# Altium PCB GameBoard_V1I1_Phase1.PcbDoc (part 5 of 18) (continued)
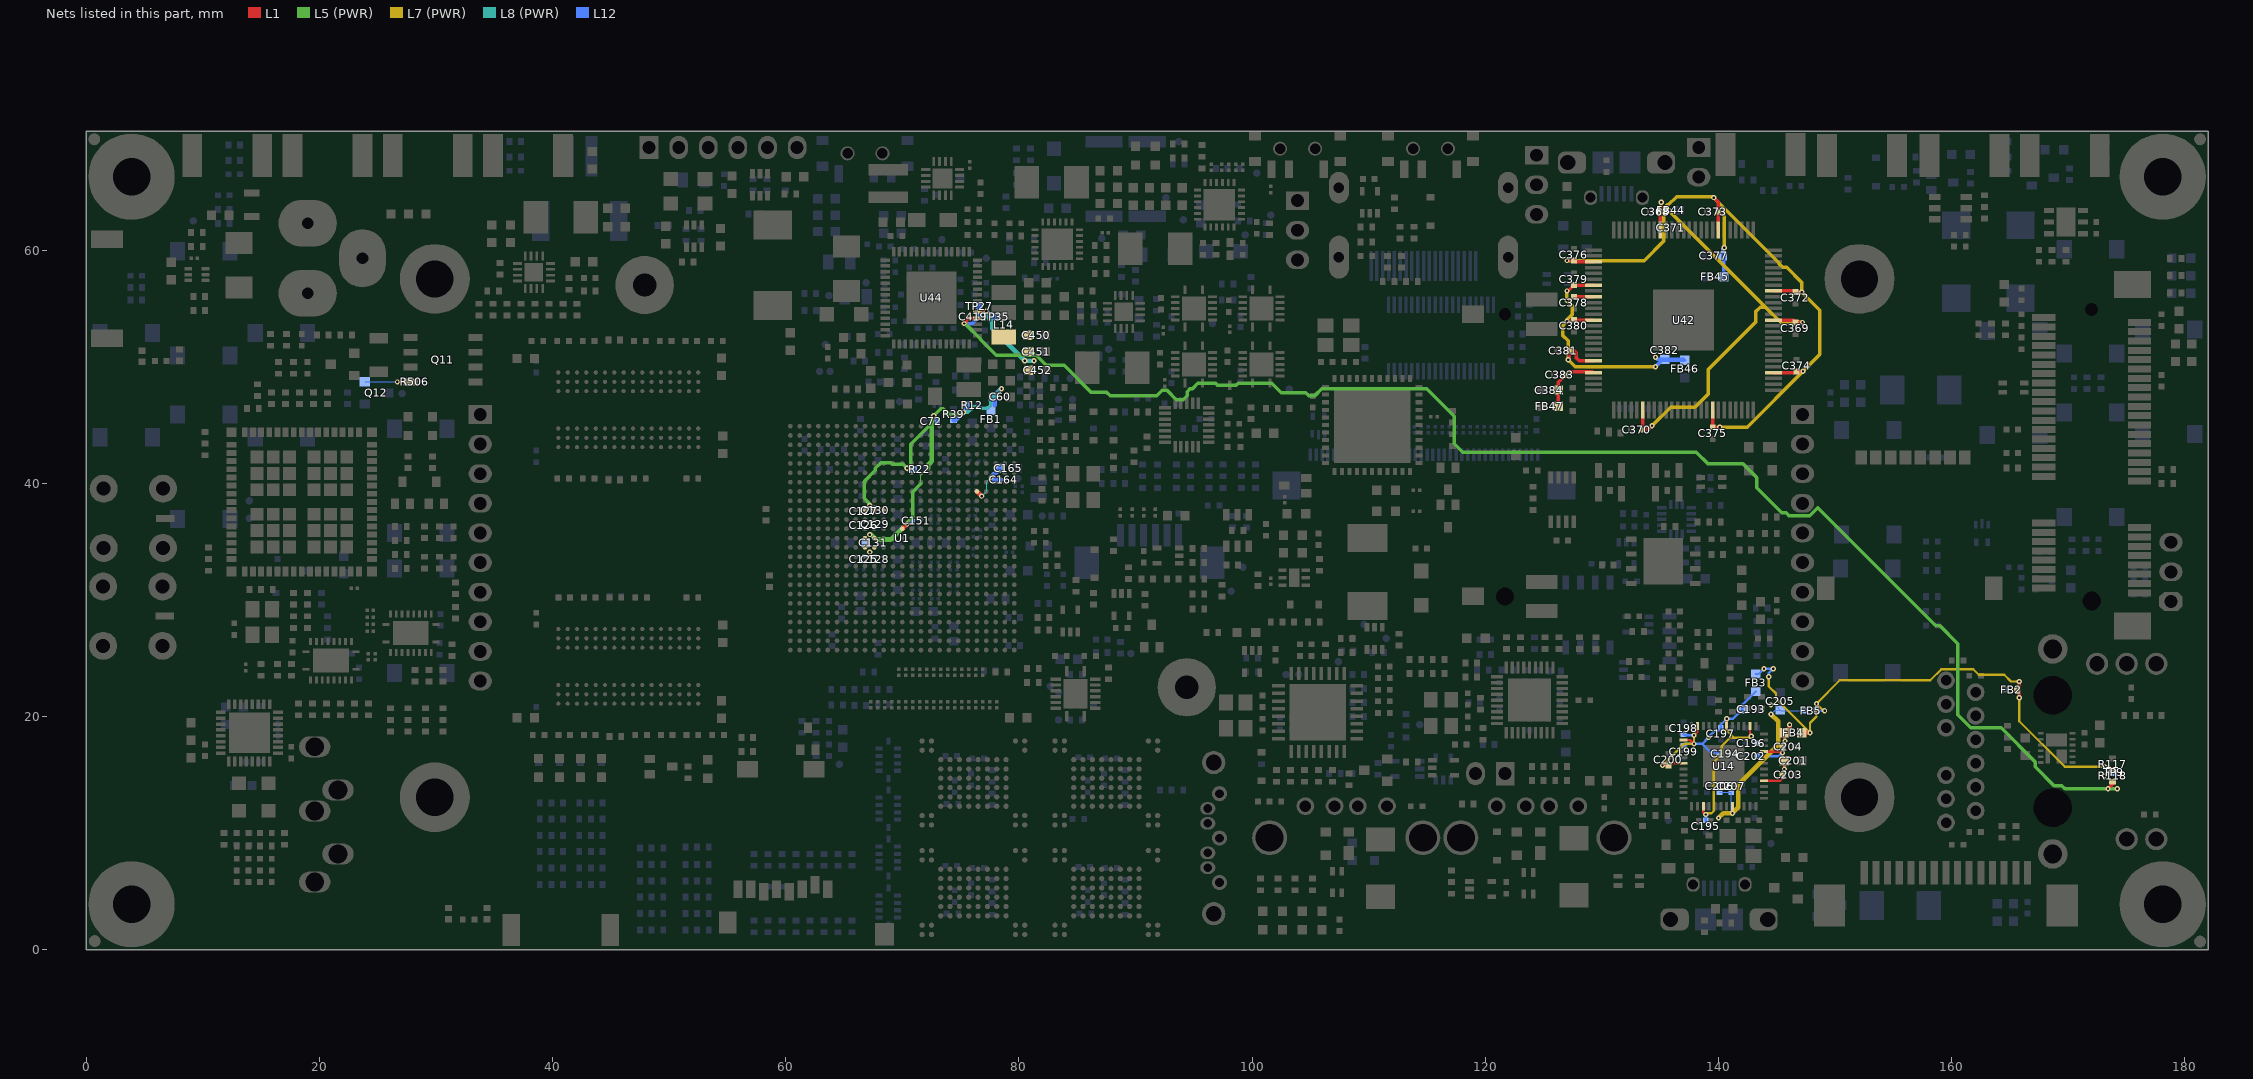
[diagram p15: the nets of this part, all layers, seen from the top]
## Part data (continued)
R34 R35 R68 R69 R183 R185 R187 R191 R192 R194 R195 R226 R227 R228 R290 R291 R292 R293 R298 R304 R309 R316 R317 R318 R319 R426 R432 R433 R434 R508 R510 R511 R549 R550 R553 R554 R555 R556 R582 R583 R625: library part RMCF0402FT100K, "RES 100K OHM 1/16W 1% 0402 SMD", Manufacturer="Stackpole Electronics Inc", Package / Case="0402 (1005 Metric)", Power (Watts)="0.063W, 1/16W", Resistance (Ohms)=100K, Supplier Part Number=RMCF0402FT100KCT-ND, Temperature Coefficient=±100ppm/°C, Tolerance=±1%, .Checked PCB=used, .Checked SCH=used, Category=Resistors, ComponentLink1Description=http://www.seielect.com/Catalog/SEI-RMCF.pdf, ComponentLink1URL=http://www.seielect.com/Catalog/SEI-RMCF.pdf, Composition="Thick Film", Features=-, Height="0.016\" (0.40mm)", Manufacturer Part Number=RMCF0402FT100K, Number of Terminations=2, Packaging="Cut Tape (CT)", Price 1k [$]=0.00384, Pricing 1="1=0.04, 10=0.025, 50=0.0138, 100=0.0105, 250=0.0078, 500=0.00576, 1000=0.00384 (USD)", RoHS="RoHS Compliant", Size / Dimension="0.039\" L x 0.020\" W (1.00mm x 0.50mm)", Stock 1=95, Supplier=Digikey, Supplier 1=Digi-Key, Supplier Part Number 1=RMCF0402FT100KCT-ND
R37 R42 R44 R55 R56 R57 R58 R67 R109 R111 R123 R124 R126 R127 R220 R512 R513 R514 R515 R517 R518 R519 R520 R521 R523 R526 R527 R528 R529 R530 R531 R533 R535 R536 R537 R538 R540 R546 R548 R584 R585 R586 R627 R628: library part RC0402FR-0722RL, "RES 22.0 OHM 1/16W 1% 0402 SMD", Manufacturer=Yageo, Package / Case="0402 (1005 Metric)", Power (Watts)="0.063W, 1/16W", Resistance (Ohms)=22, Supplier Part Number=311-22.0LRCT-ND, Temperature Coefficient=±100ppm/°C, Tolerance=±1%, .Checked PCB=used, .Checked SCH=used, Category=Resistors, ComponentLink1Description=http://www.yageo.com/documents/recent/PYu-RC0402_51_RoHS_L_6.pdf, ComponentLink1URL=http://www.yageo.com/documents/recent/PYu-RC0402_51_RoHS_L_6.pdf, Composition="Thick Film", Features=-, Height="0.016\" (0.40mm)", Manufacturer Part Number=RC0402FR-0722RL, Number of Terminations=2, Packaging="Cut Tape (CT)", Price 1k [$]=0.01421, Pricing 1="10=0.014, 50=0.0104, 100=0.0079, 250=0.00584, 500=0.00432, 1000=0.00288 (USD)", RoHS="RoHS Compliant", Size / Dimension="0.039\" L x 0.020\" W (1.00mm x 0.50mm)", Stock 1=943800, Supplier=Digikey, Supplier 1=Digi-Key, Supplier Part Number 1=311-22.0LRCT-ND
R41: library part ERJ-1GEF1910C, "RES 191 OHM 1/20W 1% 0201 SMD", Manufacturer="Panasonic Electronic Components", Package / Case="0201 (0603 Metric)", Power (Watts)="0.05W, 1/20W", Resistance (Ohms)=191, Supplier Device Package=0201, Supplier Part Number 1=P191ABCT-ND, Temperature Coefficient=±200ppm/°C, Tolerance=±1%, .Checked PCB=used, .Checked SCH=used, .Creator=MM, Category=Resistors, ComponentLink1Description=http://media.digikey.com/pdf/Data%20Sheets/Panasonic%20Resistors%20Thermistors%20PDFs/ERJ_G,R,E_Rev08.pdf, ComponentLink1URL=http://media.digikey.com/pdf/Data%20Sheets/Panasonic%20Resistors%20Thermistors%20PDFs/ERJ_G,R,E_Rev08.pdf, Composition="Thick Film", Features=-, Height="0.010\" (0.26mm)", Manufacturer Part Number=ERJ-1GEF1910C, Number of Terminations=2, Packaging="Cut Tape (CT)", Pricing 1="1=0.11, 50=0.0414, 100=0.0315, 250=0.0234, 500=0.01728, 1000=0.01152, 5000=0.0081 (USD)", RoHS="RoHS Compliant", Size / Dimension="0.024\" L x 0.012\" W (0.60mm x 0.30mm)", Stock 1=34157, Supplier 1=Digi-Key
R73 R129 R138 R139 R140 R190: library part RC0402FR-071KL, "RES 1.00K OHM 1/16W 1% 0402 SMD", Manufacturer=Yageo, Package / Case="0402 (1005 Metric)", Power (Watts)="0.063W, 1/16W", Resistance (Ohms)=1K, Supplier Part Number=311-1.00KLRCT-ND, Temperature Coefficient=±100ppm/°C, Tolerance=±1%, .Checked PCB=used, .Checked SCH=used, Category=Resistors, ComponentLink1Description=http://www.yageo.com/documents/recent/PYu-RC0402_51_RoHS_L_6.pdf, ComponentLink1URL=http://www.yageo.com/documents/recent/PYu-RC0402_51_RoHS_L_6.pdf, Composition="Thick Film", Features=-, Height="0.016\" (0.40mm)", Manufacturer Part Number=RC0402FR-071KL, Number of Terminations=2, Packaging="Cut Tape (CT)", Price 1k [$]=0.01421, Pricing 1="10=0.014, 50=0.0104, 100=0.0079, 250=0.00584, 500=0.00432, 1000=0.00288 (USD)", RoHS="RoHS Compliant", Size / Dimension="0.039\" L x 0.020\" W (1.00mm x 0.50mm)", Stock 1=1753477, Supplier=Digikey, Supplier 1=Digi-Key, Supplier Part Number 1=311-1.00KLRCT-ND
R77: library part CRCW040210M0FKED, "RES 10.0M OHM 1/16W 1% 0402 SMD", Manufacturer="Vishay Dale", Package / Case="0402 (1005 Metric)", Power (Watts)="0.063W, 1/16W", Supplier Part Number 1=541-10.0MLCT-ND, Temperature Coefficient=±100ppm/°C, Tolerance=±1%, .Checked PCB=used, .Checked SCH=used, Category=Resistors, ComponentLink1Description=http://www.vishay.com/doc?20035, ComponentLink1URL=http://www.vishay.com/doc?20035, Composition="Thick Film", Features=-, Height="0.016\" (0.40mm)", Manufacturer Part Number=CRCW040210M0FKED, Number of Terminations=2, Packaging="Cut Tape (CT)", Pricing 1="10=0.083, 50=0.0444, 200=0.0255, 1000=0.0174 (USD)", Resistance (Ohms)=10M, RoHS="RoHS Compliant", Size / Dimension="0.039\" L x 0.020\" W (1.00mm x 0.50mm)", Stock 1=182279, Supplier 1=Digi-Key
R78: library part MCR006YZPF1005, "RES 10M OHM 1/20W 1% 0201 SMD", Manufacturer="Rohm Semiconductor", Package / Case="0201 (0603 Metric)", Power (Watts)="0.05W, 1/20W", Supplier Part Number 1=RHM10MABCT-ND, Temperature Coefficient=±250ppm/°C, Tolerance=±1%, .Checked PCB=used, .Checked SCH=used, .Creator=MM, Category=Resistors, ComponentLink1Description=http://rohmfs.rohm.com/en/products/databook/datasheet/passive/resistor/chip_resistor/mcr_a.pdf, ComponentLink1URL=http://rohmfs.rohm.com/en/products/databook/datasheet/passive/resistor/chip_resistor/mcr_a.pdf, Composition="Thick Film", Features="Automotive AEC-Q200 Qualified", Height="0.010\" (0.26mm)", Manufacturer Part Number=MCR006YZPF1005, Number of Terminations=2, Packaging="Cut Tape (CT)", Pricing 1="1=0.1, 10=0.064, 25=0.0464, 100=0.026, 250=0.0198, 500=0.01584, 1000=0.01166, 5000=0.00836 (USD)", Resistance (Ohms)=10M, RoHS="RoHS Compliant", Size / Dimension="0.024\" L x 0.012\" W (0.60mm x 0.30mm)", Stock 1=88250, Supplier 1=Digi-Key, Supplier Device Package="0201 (0603 Metric)"
R79: library part CRCW04022M20FKED, "RES 2.20M OHM 1/16W 1% 0402 SMD", Manufacturer="Vishay Dale", Package / Case="0402 (1005 Metric)", Power (Watts)="0.063W, 1/16W", Resistance (Ohms)=2.2M, Supplier Part Number 1=541-2.20MLCT-ND, Temperature Coefficient=±100ppm/°C, Tolerance=±1%, .Checked PCB=used, .Checked SCH=used, .Creator=MM, Category=Resistors, ComponentLink1Description=http://www.vishay.com/doc?20035, ComponentLink1URL=http://www.vishay.com/doc?20035, Composition="Thick Film", Features="Automotive AEC-Q200 Qualified", Height="0.016\" (0.40mm)", Manufacturer Part Number=CRCW04022M20FKED, Number of Terminations=2, Packaging="Cut Tape (CT)", Pricing 1="10=0.083, 50=0.0444, 200=0.0255, 1000=0.0174 (USD)", RoHS="RoHS Compliant", Size / Dimension="0.039\" L x 0.020\" W (1.00mm x 0.50mm)", Stock 1=77953, Supplier 1=Digi-Key, Supplier Device Package="0402 (1005 Metric)"
R80 R84 R642 R643 R644 R645 R646 R647 R648 R649 R650 R651 R652 R653 R654 R655 R656 R657 R658 R659 R660 R661 R662 R663 R664 R665 R666 R667 R668 R669 R670 R671 R672 R673: library part RMCF0201FT4K99, "RES 4.99K OHM 1/20W 1% 0201", Manufacturer="Stackpole Electronics Inc", Package / Case="0201 (0603 Metric)", Power (Watts)="0.05W, 1/20W", Resistance (Ohms)=4.99k, Supplier Device Package=0201, Supplier Part Number 1=RMCF0201FT4K99CT-ND, Temperature Coefficient=±200ppm/°C, Tolerance=±1%, .Checked PCB=used, .Checked SCH=used, .Creator=MM, Category=Resistors, ComponentLink1Description=http://www.seielect.com/Catalog/SEI-RMCF_RMCP.pdf, ComponentLink1URL=http://www.seielect.com/Catalog/SEI-RMCF_RMCP.pdf, Composition="Thick Film", Features=-, Height="0.009\" (0.24mm)", Manufacturer Part Number=RMCF0201FT4K99, Number of Terminations=2, Packaging="Cut Tape (CT)", Pricing 1="1=0.11, 10=0.074, 50=0.0402, 100=0.0306, 250=0.02276, 500=0.0168, 1000=0.0112, 2500=0.00945, 5000=0.00788 (USD)", RoHS="RoHS Compliant", Size / Dimension="0.024\" L x 0.012\" W (0.60mm x 0.30mm)", Stock 1=28120, Supplier 1=Digi-Key
R103 R353 R366 R367 R374 R375: library part RC0201FR-071KL, "RES 1K OHM 1/20W 1% 0201 SMD", Manufacturer=Yageo, Package / Case="0201 (0603 Metric)", Power (Watts)="0.05W, 1/20W", Supplier Device Package=0201, Supplier Part Number 1=311-1KMCT-ND, Temperature Coefficient=±200ppm/°C, Tolerance=±1%, .Checked PCB=used, .Checked SCH=used, .Creator=MM, Category=Resistors, ComponentLink1Description=http://www.yageo.com/documents/recent/PYu-RC0201_51_RoHS_L_8.pdf, ComponentLink1URL=http://www.yageo.com/documents/recent/PYu-RC0201_51_RoHS_L_8.pdf, Composition="Thick Film", Features="Moisture Resistant", Height="0.010\" (0.26mm)", Manufacturer Part Number=RC0201FR-071KL, Number of Terminations=2, Packaging="Cut Tape (CT)", Pricing 1="1=0.1, 10=0.074, 25=0.054, 100=0.0303, 250=0.02312, 500=0.0185, 1000=0.01361, 2500=0.01182, 5000=0.00976 (USD)", Resistance (Ohms)=1k, RoHS="RoHS Compliant", Size / Dimension="0.024\" L x 0.012\" W (0.60mm x 0.30mm)", Stock 1=0, Supplier 1=Digi-Key
R120 R121: library part RC0402FR-07220RL, "RES 220 OHM 1/16W 1% 0402 SMD", Manufacturer=Yageo, Package / Case="0402 (1005 Metric)", Power (Watts)="0.063W, 1/16W", Resistance (Ohms)=220, Supplier Part Number=311-220LRCT-ND, Temperature Coefficient=±100ppm/°C, Tolerance=±1%, .Checked PCB=used, .Checked SCH=used, Category=Resistors, ComponentLink1Description=http://www.yageo.com/documents/recent/PYu-RC0402_51_RoHS_L_6.pdf, ComponentLink1URL=http://www.yageo.com/documents/recent/PYu-RC0402_51_RoHS_L_6.pdf, Composition="Thick Film", Features=-, Height="0.016\" (0.40mm)", Manufacturer Part Number=RC0402FR-07220RL, Number of Terminations=2, Packaging="Cut Tape (CT)", Price 1k [$]=0.01421, Pricing 1="10=0.014, 50=0.0104, 100=0.0079, 250=0.00584, 500=0.00432, 1000=0.00288 (USD)", RoHS="RoHS Compliant", Size / Dimension="0.039\" L x 0.020\" W (1.00mm x 0.50mm)", Stock 1=276463, Supplier=Digikey, Supplier 1=Digi-Key, Supplier Part Number 1=311-220LRCT-ND
R125: library part RC0402FR-0712K1L, "RES SMD 12.1K OHM 1% 1/16W 0402", Manufacturer=Yageo, Operating Temperature="-55°C ~ 155°C", Package / Case="0402 (1005 Metric)", Power (Watts)="0.063W, 1/16W", Resistance (Ohms)=12.1k, Supplier Device Package=0402, Supplier Part Number 1=311-12.1KLRCT-ND, Temperature Coefficient=±100ppm/°C, Tolerance=±1%, .Checked PCB=used, .Checked SCH=used, .Creator=MM, Category=Resistors, ComponentLink1Description=http://www.yageo.com/NewPortal/yageodocoutput?fileName=/pdf/R-Chip/PYu-RC_Group_51_RoHS_L_0.pdf, ComponentLink1URL=http://www.yageo.com/NewPortal/yageodocoutput?fileName=/pdf/R-Chip/PYu-RC_Group_51_RoHS_L_0.pdf, Composition="Thick Film", Features="Moisture Resistant", Height="0.016\" (0.40mm)", Manufacturer Part Number=RC0402FR-0712K1L, Number of Terminations=2, Packaging="Cut Tape (CT)", Pricing 1="1=0.1, 10=0.015, 25=0.0108, 100=0.006, 250=0.00456, 500=0.00364, 1000=0.00268, 2500=0.00233, 5000=0.00192 (USD)", RoHS="RoHS Compliant", Size / Dimension="0.039\" L x 0.020\" W (1.00mm x 0.50mm)", Stock 1=327554, Supplier 1=Digi-Key
R145 R202 R203: library part RC0402FR-0715KL, "RES 15.0K OHM 1/16W 1% 0402 SMD", Manufacturer=Yageo, Package / Case="0402 (1005 Metric)", Power (Watts)="0.063W, 1/16W", Resistance (Ohms)=15K, Supplier Part Number=311-15.0KLRCT-ND, Temperature Coefficient=±100ppm/°C, Tolerance=±1%, .Checked PCB=used, .Checked SCH=used, Category=Resistors, ComponentLink1Description=http://www.yageo.com/documents/recent/PYu-RC0402_51_RoHS_L_6.pdf, ComponentLink1URL=http://www.yageo.com/documents/recent/PYu-RC0402_51_RoHS_L_6.pdf, Composition="Thick Film", Features=-, Height="0.016\" (0.40mm)", Manufacturer Part Number=RC0402FR-0715KL, Number of Terminations=2, Packaging="Cut Tape (CT)", Price 1k [$]=0.01421, Pricing 1="10=0.014, 50=0.0104, 100=0.0079, 250=0.00584, 500=0.00432, 1000=0.00288 (USD)", RoHS="RoHS Compliant", Size / Dimension="0.039\" L x 0.020\" W (1.00mm x 0.50mm)", Stock 1=31992, Supplier=Digikey, Supplier 1=Digi-Key, Supplier Part Number 1=311-15.0KLRCT-ND
R148: library part RC0402FR-0727KL, "RES 27.0K OHM 1/16W 1% 0402 SMD", Manufacturer=Yageo, Package / Case="0402 (1005 Metric)", Power (Watts)="0.063W, 1/16W", Resistance (Ohms)=27K, Supplier Part Number=311-27.0KLRCT-ND, Temperature Coefficient=±100ppm/°C, Tolerance=±1%, .Checked PCB=used, .Checked SCH=used, Category=Resistors, ComponentLink1Description=http://www.yageo.com/documents/recent/PYu-RC0402_51_RoHS_L_6.pdf, ComponentLink1URL=http://www.yageo.com/documents/recent/PYu-RC0402_51_RoHS_L_6.pdf, Composition="Thick Film", Features=-, Height="0.016\" (0.40mm)", Manufacturer Part Number=RC0402FR-0727KL, Number of Terminations=2, Packaging="Cut Tape (CT)", Price 1k [$]=0.00288, Pricing 1="10=0.014, 50=0.0104, 100=0.0079, 250=0.00584, 500=0.00432, 1000=0.00288 (USD)", RoHS="RoHS Compliant", Size / Dimension="0.039\" L x 0.020\" W (1.00mm x 0.50mm)", Stock 1=21638, Supplier=Digikey, Supplier 1=Digi-Key, Supplier Part Number 1=311-27.0KLRCT-ND
R154 R155 R156: library part CRCW0402330RFKED, "RES 330 OHM 1/16W 1% 0402 SMD", Manufacturer="Vishay Dale", Package / Case="0402 (1005 Metric)", Power (Watts)="0.063W, 1/16W", Resistance (Ohms)=330, Supplier Part Number 1=541-330LCT-ND, Temperature Coefficient=±100ppm/°C, Tolerance=±1%, .Checked PCB=used, .Checked SCH=used, Category=Resistors, ComponentLink1Description=http://www.vishay.com/doc?20035, ComponentLink1URL=http://www.vishay.com/doc?20035, Composition="Thick Film", Features=-, Height="0.016\" (0.40mm)", Manufacturer Part Number=CRCW0402330RFKED, Number of Terminations=2, Packaging="Cut Tape (CT)", Pricing 1="10=0.083, 50=0.0444, 200=0.0255, 1000=0.0174 (USD)", RoHS="RoHS Compliant", Size / Dimension="0.039\" L x 0.020\" W (1.00mm x 0.50mm)", Stock 1=49303, Supplier 1=Digi-Key
R161 R163 R179 R180 R507: library part RC0805JR-070RL_small, "RES 0.0 OHM 1/8W 0805 SMD", Manufacturer=Yageo, Manufacturer Part Number=RC0805JR-070RL, Package / Case="0805 (2012 Metric)", Power (Watts)="0.125W, 1/8W", Resistance (Ohms)=0.0, Supplier Part Number=311-0.0ARCT-ND, Temperature Coefficient=-, Tolerance=Jumper, .Checked PCB=used, .Checked SCH=used, .Creator=MM, Category=Resistors, ComponentLink1Description=http://www.yageo.com/documents/recent/PYu-RC0805_51_RoHS_L_4.pdf, ComponentLink1URL=http://www.yageo.com/documents/recent/PYu-RC0805_51_RoHS_L_4.pdf, Composition="Thick Film", Features=-, Height="0.024\" (0.60mm)", Number of Terminations=2, Packaging="Cut Tape (CT)", Price 1k [$]=0.01479, Pricing 1="10=0.017, 50=0.0126, 100=0.0096, 250=0.00716, 500=0.00528, 1000=0.00352 (USD)", RoHS="RoHS Compliant", Size / Dimension="0.079\" L x 0.049\" W (2.00mm x 1.25mm)", Stock 1=933202, Supplier=Digikey, Supplier 1=Digi-Key, Supplier Part Number 1=311-0.0ARCT-ND
R193: library part RC0402FR-0712KL, "RES 12.0K OHM 1/16W 1% 0402 SMD", Manufacturer=Yageo, Package / Case="0402 (1005 Metric)", Power (Watts)="0.063W, 1/16W", Resistance (Ohms)=12K, Supplier Part Number=311-12.0KLRCT-ND, Temperature Coefficient=±100ppm/°C, Tolerance=±1%, .Checked PCB=used, .Checked SCH=used, Category=Resistors, ComponentLink1Description=http://www.yageo.com/documents/recent/PYu-RC0402_51_RoHS_L_6.pdf, ComponentLink1URL=http://www.yageo.com/documents/recent/PYu-RC0402_51_RoHS_L_6.pdf, Composition="Thick Film", Features=-, Height="0.016\" (0.40mm)", Manufacturer Part Number=RC0402FR-0712KL, Number of Terminations=2, Packaging="Cut Tape (CT)", Price 1k [$]=0.01421, Pricing 1="10=0.014, 50=0.0104, 100=0.0079, 250=0.00584, 500=0.00432, 1000=0.00288 (USD)", RoHS="RoHS Compliant", Size / Dimension="0.039\" L x 0.020\" W (1.00mm x 0.50mm)", Stock 1=526086, Supplier=Digikey, Supplier 1=Digi-Key, Supplier Part Number 1=311-12.0KLRCT-ND
R196: library part RC0402FR-071ML, "RES 1.00M OHM 1/16W 1% 0402 SMD", Manufacturer=Yageo, Package / Case="0402 (1005 Metric)", Power (Watts)="0.063W, 1/16W", Supplier Part Number=311-1.00MLRCT-ND, Temperature Coefficient=±100ppm/°C, Tolerance=±1%, .Checked PCB=used, .Checked SCH=used, Category=Resistors, ComponentLink1Description=http://www.yageo.com/documents/recent/PYu-RC0402_51_RoHS_L_6.pdf, ComponentLink1URL=http://www.yageo.com/documents/recent/PYu-RC0402_51_RoHS_L_6.pdf, Composition="Thick Film", Features=-, Height="0.016\" (0.40mm)", Manufacturer Part Number=RC0402FR-071ML, Number of Terminations=2, Packaging="Cut Tape (CT)", Price 1k [$]=0.00288, Pricing 1="10=0.014, 50=0.0104, 100=0.0079, 250=0.00584, 500=0.00432, 1000=0.00288 (USD)", Resistance (Ohms)=1M, RoHS="RoHS Compliant", Size / Dimension="0.039\" L x 0.020\" W (1.00mm x 0.50mm)", Stock 1=102060, Supplier=Digikey, Supplier 1=Digi-Key, Supplier Part Number 1=311-1.00MLRCT-ND
R204 R205 R275 R276 R380 R381 R383 R388 R397 R398 R400 R401 R402 R403 R408 R409 R411 R412 R419 R420 R421 R424 R427 R428: library part RMCF0402FT33R0, "RES TF 33 OHM 1% 1/16W 0402", Manufacturer="Stackpole Electronics Inc", Package / Case="0402 (1005 Metric)", Power (Watts)="0.063W, 1/16W", Resistance (Ohms)=33, Supplier Part Number=RMCF0402FT33R0CT-ND, Temperature Coefficient=±100ppm/°C, Tolerance=±1%, .Checked PCB=used, .Checked SCH=used, Category=Resistors, ComponentLink1Description=http://www.seielect.com/Catalog/SEI-RMCF.pdf, ComponentLink1URL=http://www.seielect.com/Catalog/SEI-RMCF.pdf, Composition="Thick Film", Features=-, Height="0.016\" (0.40mm)", Manufacturer Part Number=RMCF0402FT33R0, Number of Terminations=2, Packaging="Cut Tape (CT)", Price 1k [$]=0.00384, Pricing 1="1=0.04, 10=0.025, 50=0.0138, 100=0.0105, 250=0.0078, 500=0.00576, 1000=0.00384 (USD)", RoHS="RoHS Compliant", Size / Dimension="0.039\" L x 0.020\" W (1.00mm x 0.50mm)", Stock 1=26866, Supplier=Digikey, Supplier 1=Digi-Key, Supplier Part Number 1=RMCF0402FT33R0CT-ND
R206 R488 R489 R490: library part RC0402FR-072K2L, "RES 2.20K OHM 1/16W 1% 0402 SMD", Manufacturer=Yageo, Package / Case="0402 (1005 Metric)", Power (Watts)="0.063W, 1/16W", Resistance (Ohms)=2.2K, Supplier Part Number=311-2.20KLRCT-ND, Temperature Coefficient=±100ppm/°C, Tolerance=±1%, .Checked PCB=used, .Checked SCH=used, Category=Resistors, ComponentLink1Description=http://www.yageo.com/documents/recent/PYu-RC0402_51_RoHS_L_6.pdf, ComponentLink1URL=http://www.yageo.com/documents/recent/PYu-RC0402_51_RoHS_L_6.pdf, Composition="Thick Film", Features=-, Height="0.016\" (0.40mm)", Manufacturer Part Number=RC0402FR-072K2L, Number of Terminations=2, Packaging="Cut Tape (CT)", Price 1k [$]=0.01421, Pricing 1="10=0.014, 50=0.0104, 100=0.0079, 250=0.00584, 500=0.00432, 1000=0.00288 (USD)", RoHS="RoHS Compliant", Size / Dimension="0.039\" L x 0.020\" W (1.00mm x 0.50mm)", Stock 1=195154, Supplier=Digikey, Supplier 1=Digi-Key, Supplier Part Number 1=311-2.20KLRCT-ND
R231 R232 R233 R236 R237 R238: library part RC0402FR-073K3L, "RES 3.30K OHM 1/16W 1% 0402 SMD", Manufacturer=Yageo, Package / Case="0402 (1005 Metric)", Power (Watts)="0.063W, 1/16W", Resistance (Ohms)=3.3K, Supplier Part Number=311-3.30KLRCT-ND, Temperature Coefficient=±100ppm/°C, Tolerance=±1%, .Checked PCB=used, .Checked SCH=used, Category=Resistors, ComponentLink1Description=http://www.yageo.com/documents/recent/PYu-RC0402_51_RoHS_L_6.pdf, ComponentLink1URL=http://www.yageo.com/documents/recent/PYu-RC0402_51_RoHS_L_6.pdf, Composition="Thick Film", Features=-, Height="0.016\" (0.40mm)", Manufacturer Part Number=RC0402FR-073K3L, Number of Terminations=2, Packaging="Cut Tape (CT)", Price 1k [$]=0.01421, Pricing 1="10=0.014, 50=0.0104, 100=0.0079, 250=0.00584, 500=0.00432, 1000=0.00288 (USD)", RoHS="RoHS Compliant", Size / Dimension="0.039\" L x 0.020\" W (1.00mm x 0.50mm)", Stock 1=356340, Supplier=Digikey, Supplier 1=Digi-Key, Supplier Part Number 1=311-3.30KLRCT-ND
R241 R246: library part RC0402FR-0760R4L, "RES SMD 60.4 OHM 1% 1/16W 0402", Manufacturer=Yageo, Operating Temperature="-55°C ~ 155°C", Package / Case="0402 (1005 Metric)", Power (Watts)="0.063W, 1/16W", Resistance (Ohms)=60.4, Supplier Device Package=0402, Supplier Part Number 1=311-60.4LRCT-ND, Temperature Coefficient=±100ppm/°C, Tolerance=±1%, .Checked PCB=used, .Checked SCH=used, .Creator=MM, Category=Resistors, ComponentLink1Description=http://www.yageo.com/NewPortal/yageodocoutput?fileName=/pdf/R-Chip/PYu-RC_Group_51_RoHS_L_0.pdf, ComponentLink1URL=http://www.yageo.com/NewPortal/yageodocoutput?fileName=/pdf/R-Chip/PYu-RC_Group_51_RoHS_L_0.pdf, Composition="Thick Film", Features="Moisture Resistant", Height="0.016\" (0.40mm)", Manufacturer Part Number=RC0402FR-0760R4L, Number of Terminations=2, Packaging="Cut Tape (CT)", Pricing 1="1=0.1, 10=0.015, 25=0.0108, 100=0.006, 250=0.00456, 500=0.00364, 1000=0.00268, 2500=0.00233, 5000=0.00192 (USD)", RoHS="RoHS Compliant", Size / Dimension="0.039\" L x 0.020\" W (1.00mm x 0.50mm)", Stock 1=33933, Supplier 1=Digi-Key
R272: library part RC0402FR-0724KL, "RES SMD 24K OHM 1% 1/16W 0402", Manufacturer=Yageo, Operating Temperature="-55°C ~ 155°C", Package / Case="0402 (1005 Metric)", Power (Watts)="0.063W, 1/16W", Supplier Device Package=0402, Supplier Part Number 1=311-24KLRCT-ND, Temperature Coefficient=±100ppm/°C, Tolerance=±1%, .Checked PCB=used, .Checked SCH=used, .Creator=MM, Category=Resistors, ComponentLink1Description=http://www.yageo.com/NewPortal/yageodocoutput?fileName=/pdf/R-Chip/PYu-RC_Group_51_RoHS_L_3.pdf, ComponentLink1URL=http://www.yageo.com/NewPortal/yageodocoutput?fileName=/pdf/R-Chip/PYu-RC_Group_51_RoHS_L_3.pdf, Composition="Thick Film", Features="Moisture Resistant", Height="0.016\" (0.40mm)", Manufacturer Part Number=RC0402FR-0724KL, Number of Terminations=2, Packaging="Cut Tape (CT)", Pricing 1="1=0.1, 10=0.013, 25=0.0096, 100=0.0054, 250=0.00412, 500=0.00328, 1000=0.00242, 2500=0.0021, 5000=0.00173 (USD)", Resistance (Ohms)=24k, RoHS="RoHS Compliant", Size / Dimension="0.039\" L x 0.020\" W (1.00mm x 0.50mm)", Stock 1=85479, Supplier 1=Digi-Key
R274 R382 R384 R385 R386 R387 R389 R390 R391 R552 R557 R558: library part RC0402FR-071K5L, "RES 1.50K OHM 1/16W 1% 0402 SMD", Manufacturer=Yageo, Package / Case="0402 (1005 Metric)", Power (Watts)="0.063W, 1/16W", Resistance (Ohms)=1.5k, Supplier Device Package=0402, Supplier Part Number 1=311-1.50KLRCT-ND, Temperature Coefficient=±100ppm/°C, Tolerance=±1%, .Checked PCB=used, .Checked SCH=used, .Creator=MM, Category=Resistors, ComponentLink1Description=http://www.yageo.com/documents/recent/PYu-RC0402_51_RoHS_L_6.pdf, ComponentLink1URL=http://www.yageo.com/documents/recent/PYu-RC0402_51_RoHS_L_6.pdf, Composition="Thick Film", Features=-, Height="0.016\" (0.40mm)", Manufacturer Part Number=RC0402FR-071K5L, Number of Terminations=2, Packaging="Cut Tape (CT)", Pricing 1="1=0.1, 10=0.014, 25=0.0104, 100=0.0063, 250=0.0054, 500=0.00382, 1000=0.0027, 2500=0.00234, 5000=0.00203 (USD)", RoHS="RoHS Compliant", Size / Dimension="0.039\" L x 0.020\" W (1.00mm x 0.50mm)", Stock 1=499348, Supplier 1=Digi-Key
R284 R486: library part RC0402FR-073KL, "RES 3K OHM 1/16W 1% 0402 SMD", Manufacturer=Yageo, Package / Case="0402 (1005 Metric)", Power (Watts)="0.063W, 1/16W", Supplier Device Package=0402, Supplier Part Number 1=311-3KLRCT-ND, Temperature Coefficient=±100ppm/°C, Tolerance=±1%, .Checked PCB=used, .Checked SCH=used, .Creator=MM, Category=Resistors, ComponentLink1Description=http://www.yageo.com/documents/recent/PYu-RC0402_51_RoHS_L_6.pdf, ComponentLink1URL=http://www.yageo.com/documents/recent/PYu-RC0402_51_RoHS_L_6.pdf, Composition="Thick Film", Features=-, Height="0.016\" (0.40mm)", Manufacturer Part Number=RC0402FR-073KL, Number of Terminations=2, Packaging="Cut Tape (CT)", Pricing 1="1=0.1, 10=0.014, 25=0.0104, 100=0.0063, 250=0.0054, 500=0.00382, 1000=0.0027, 2500=0.00234, 5000=0.00203 (USD)", Resistance (Ohms)=3k, RoHS="RoHS Compliant", Size / Dimension="0.039\" L x 0.020\" W (1.00mm x 0.50mm)", Stock 1=194271, Supplier 1=Digi-Key
R296: library part RC0402FR-0782KL, "RES 82.0K OHM 1/16W 1% 0402 SMD", Manufacturer=Yageo, Package / Case="0402 (1005 Metric)", Power (Watts)="0.063W, 1/16W", Supplier Device Package=0402, Supplier Part Number 1=311-82.0KLRCT-ND, Temperature Coefficient=±100ppm/°C, Tolerance=±1%, .Checked PCB=used, .Checked SCH=used, .Creator=MM, Category=Resistors, ComponentLink1Description=http://www.yageo.com/documents/recent/PYu-RC0402_51_RoHS_L_6.pdf, ComponentLink1URL=http://www.yageo.com/documents/recent/PYu-RC0402_51_RoHS_L_6.pdf, Composition="Thick Film", Features="Moisture Resistant", Height="0.016\" (0.40mm)", Manufacturer Part Number=RC0402FR-0782KL, Number of Terminations=2, Packaging="Cut Tape (CT)", Pricing 1="1=0.1, 10=0.015, 25=0.0108, 100=0.006, 250=0.00456, 500=0.00364, 1000=0.00268, 2500=0.00233, 5000=0.00192 (USD)", Resistance (Ohms)=82k, RoHS="RoHS Compliant", Size / Dimension="0.039\" L x 0.020\" W (1.00mm x 0.50mm)", Stock 1=338, Supplier 1=Digi-Key
R297 R308: library part RC0402FR-07150KL, "RES 150K OHM 1/16W 1% 0402 SMD", Manufacturer=Yageo, Package / Case="0402 (1005 Metric)", Power (Watts)="0.063W, 1/16W", Supplier Device Package=0402, Supplier Part Number 1=311-150KLRCT-ND, Temperature Coefficient=±100ppm/°C, Tolerance=±1%, .Checked PCB=used, .Checked SCH=used, .Creator=MM, Category=Resistors, ComponentLink1Description=http://www.yageo.com/documents/recent/PYu-RC0402_51_RoHS_L_6.pdf, ComponentLink1URL=http://www.yageo.com/documents/recent/PYu-RC0402_51_RoHS_L_6.pdf, Composition="Thick Film", Features="Moisture Resistant", Height="0.016\" (0.40mm)", Manufacturer Part Number=RC0402FR-07150KL, Number of Terminations=2, Packaging="Cut Tape (CT)", Pricing 1="1=0.1, 10=0.015, 25=0.0108, 100=0.006, 250=0.00456, 500=0.00364, 1000=0.00268, 2500=0.00233, 5000=0.00192 (USD)", Resistance (Ohms)=150k, RoHS="RoHS Compliant", Size / Dimension="0.039\" L x 0.020\" W (1.00mm x 0.50mm)", Stock 1=612629, Supplier 1=Digi-Key
R300: library part CRCW040263K4FKED, "RES SMD 63.4K OHM 1% 1/16W 0402", Manufacturer="Vishay Dale", Operating Temperature="-55°C ~ 155°C", Package / Case="0402 (1005 Metric)", Power (Watts)="0.063W, 1/16W", Resistance (Ohms)=63.4k, Supplier Part Number 1=541-63.4KLCT-ND, Temperature Coefficient=±100ppm/°C, Tolerance=±1%, .Checked PCB=used, .Checked SCH=used, .Creator=MM, Category=Resistors, ComponentLink1Description=http://www.vishay.com/docs/20035/dcrcwe3.pdf, ComponentLink1URL=http://www.vishay.com/docs/20035/dcrcwe3.pdf, Composition="Thick Film", Features="Automotive AEC-Q200", Height="0.016\" (0.40mm)", Manufacturer Part Number=CRCW040263K4FKED, Number of Terminations=2, Packaging="Cut Tape (CT)", Pricing 1="10=0.083, 50=0.0444, 200=0.0255, 1000=0.0174 (USD)", RoHS="RoHS Compliant", Size / Dimension="0.039\" L x 0.020\" W (1.00mm x 0.50mm)", Stock 1=43534, Supplier 1=Digi-Key, Supplier Device Package="0402 (1005 Metric)"
R307: library part CRCW0402390KFKED, "RES 390K OHM 1/16W 1% 0402 SMD", Manufacturer="Vishay Dale", Package / Case="0402 (1005 Metric)", Power (Watts)="0.063W, 1/16W", Supplier Part Number 1=541-390KLCT-ND, Temperature Coefficient=±100ppm/°C, Tolerance=±1%, .Checked PCB=used, .Checked SCH=used, .Creator=MM, Category=Resistors, ComponentLink1Description=http://www.vishay.com/docs/20035/dcrcwe3.pdf, ComponentLink1URL=http://www.vishay.com/docs/20035/dcrcwe3.pdf, Composition="Thick Film", Features="Automotive AEC-Q200 Qualified", Height="0.016\" (0.40mm)", Manufacturer Part Number=CRCW0402390KFKED, Number of Terminations=2, Packaging="Cut Tape (CT)", Pricing 1="10=0.083, 50=0.0444, 200=0.0255, 1000=0.0174 (USD)", Resistance (Ohms)=390k, RoHS="RoHS Compliant", Size / Dimension="0.039\" L x 0.020\" W (1.00mm x 0.50mm)", Stock 1=288225, Supplier 1=Digi-Key, Supplier Device Package="0402 (1005 Metric)"
R311: library part RC0402FR-0786K6L, "RES SMD 86.6K OHM 1% 1/16W 0402", Manufacturer=Yageo, Operating Temperature="-55°C ~ 155°C", Package / Case="0402 (1005 Metric)", Power (Watts)="0.063W, 1/16W", Resistance (Ohms)=86.6k, Supplier Device Package=0402, Supplier Part Number 1=YAG3249CT-ND, Temperature Coefficient=±100ppm/°C, Tolerance=±1%, .Checked PCB=used, .Checked SCH=used, .Creator=MM, Category=Resistors, ComponentLink1Description=http://www.yageo.com/NewPortal/yageodocoutput?fileName=/pdf/R-Chip/PYu-RC_Group_51_RoHS_L_3.pdf, ComponentLink1URL=http://www.yageo.com/NewPortal/yageodocoutput?fileName=/pdf/R-Chip/PYu-RC_Group_51_RoHS_L_3.pdf, Composition="Thick Film", Features="Moisture Resistant", Height="0.016\" (0.40mm)", Manufacturer Part Number=RC0402FR-0786K6L, Number of Terminations=2, Packaging="Cut Tape (CT)", Pricing 1="1=0.1, 10=0.012, 25=0.0084, 100=0.0048, 250=0.00368, 500=0.00294, 1000=0.00216, 2500=0.00187, 5000=0.00155 (USD)", RoHS="RoHS Compliant", Size / Dimension="0.040\" L x 0.020\" W (1.00mm x 0.50mm)", Stock 1=7980, Supplier 1=Digi-Key
R320: library part CRCW040211K8FKED, "RES 11.8K OHM 1/16W 1% 0402 SMD", Manufacturer="Vishay Dale", Package / Case="0402 (1005 Metric)", Power (Watts)="0.063W, 1/16W", Resistance (Ohms)=11.8K, Supplier Part Number 1=541-11.8KLCT-ND, Temperature Coefficient=±100ppm/°C, Tolerance=±1%, .Checked PCB=used, .Checked SCH=used, Category=Resistors, ComponentLink1Description=http://www.vishay.com/doc?20035, ComponentLink1URL=http://www.vishay.com/doc?20035, Composition="Thick Film", Features=-, Height="0.016\" (0.40mm)", Manufacturer Part Number=CRCW040211K8FKED, Number of Terminations=2, Packaging="Cut Tape (CT)", Pricing 1="10=0.083, 50=0.0444, 200=0.0255, 1000=0.0174 (USD)", RoHS="RoHS Compliant", Size / Dimension="0.039\" L x 0.020\" W (1.00mm x 0.50mm)", Stock 1=30358, Supplier 1=Digi-Key
R321: library part RNCP1206FTD1K00, "RES SMD 1K OHM 1% 1/2W 1206", Manufacturer="Stackpole Electronics Inc", Operating Temperature="-55°C ~ 155°C", Package / Case="1206 (3216 Metric)", Power (Watts)="0.5W, 1/2W", Resistance (Ohms)=1k, Supplier Device Package=1206, Supplier Part Number 1=RNCP1206FTD1K00CT-ND, Temperature Coefficient=±100ppm/°C, Tolerance=±1%, .Checked PCB=used, .Checked SCH=used, .Creator=MM, Category=Resistors, ComponentLink1Description=http://www.seielect.com/catalog/SEI-RNCP.pdf, ComponentLink1URL=http://www.seielect.com/catalog/SEI-RNCP.pdf, Composition="Thin Film", Features=Anti-Sulfur, Height="0.024\" (0.60mm)", Manufacturer Part Number=RNCP1206FTD1K00, Number of Terminations=2, Packaging="Cut Tape (CT)", Pricing 1="1=0.1, 10=0.065, 50=0.0356, 100=0.0271, 250=0.02016, 500=0.01488, 1000=0.00992, 2500=0.00837 (USD)", RoHS="RoHS Compliant", Size / Dimension="0.122\" L x 0.059\" W (3.10mm x 1.50mm)", Stock 1=120283, Supplier 1=Digi-Key
R324: library part CRCW040210K5FKED, "RES 10.5K OHM 1/16W 1% 0402 SMD", Manufacturer=Vishay/Dale, Package / Case="0402 (1005 Metric)", Power (Watts)="0.063W, 1/16W", Resistance (Ohms)=10.5K, Supplier Part Number=541-10.5KLCT-ND, Temperature Coefficient=±100ppm/°C, Tolerance=±1%, .Checked PCB=used, .Checked SCH=used, Category=Resistors, ComponentLink1Description=http://www.vishay.com/doc?20035, ComponentLink1URL=http://www.vishay.com/doc?20035, Composition="Thick Film", Features=-, Height="0.016\" (0.40mm)", Manufacturer Part Number=CRCW040210K5FKED, Number of Terminations=2, Packaging="Cut Tape (CT)", Price 1k [$]=0.01740, Pricing 1="10=0.083, 50=0.0444, 200=0.0255, 1000=0.0174 (USD)", RoHS="RoHS Compliant", Size / Dimension="0.039\" L x 0.020\" W (1.00mm x 0.50mm)", Stock 1=36157, Supplier=Digikey, Supplier 1=Digi-Key, Supplier Part Number 1=541-10.5KLCT-ND
R328: library part RC0402FR-073R3L, "RES SMD 3.3 OHM 1% 1/16W 0402", Manufacturer=Yageo, Operating Temperature="-55°C ~ 155°C", Package / Case="0402 (1005 Metric)", Power (Watts)="0.063W, 1/16W", Supplier Device Package=0402, Supplier Part Number 1=311-3.30LRCT-ND, Temperature Coefficient=±200ppm/°C, Tolerance=±1%, Category=Resistors, ComponentLink1Description=http://www.yageo.com/documents/recent/PYu-RC_Group_51_RoHS_L_9.pdf, ComponentLink1URL=http://www.yageo.com/documents/recent/PYu-RC_Group_51_RoHS_L_9.pdf, Composition="Thick Film", Failure Rate=-, Features="Moisture Resistant", Height - Seated (Max)="0.016\" (0.40mm)", Manufacturer Part Number=RC0402FR-073R3L, Packaging="Cut Tape (CT)", Part Status=Active, Pricing 1="1=0.1, 10=0.02, 100=0.0083, 1000=0.00372, 2500=0.00323, 5000=0.00267 (USD)", RoHS="RoHS Compliant", Size / Dimension="0.039\" L x 0.020\" W (1.00mm x 0.50mm)", Stock 1=318027, Supplier 1=Digi-Key
R331 R332 R333 R334 R335 R336 R337 R338 R339 R340 R341 R343 R344 R346 R347 R349 R352 R354 R355 R356 R357 R358 R359 R360 R361 R362 R363 R364 R369 R370 R371 R372 R551: library part RC0201FR-0733RL, "RES 33 OHM 1% 1/20W 0201", Case/Package=0201, Case Code (Metric)=0603, Manufacturer=Yageo, Max Operating Temperature=125°C, Max Power Dissipation=50mW, Min Operating Temperature=-55°C, Package Quantity=1, Supplier Part Number 1=603-RC0201FR-0733RL, Temperature Coefficient=200ppm/°C, Tolerance=1%, Voltage Rating=25V, .Creator=MB, Case Code (Imperial)=0201, ComponentLink1Description=https://datasheet.ciiva.com/22698/1563626-22698520.pdf, ComponentLink1URL=https://datasheet.ciiva.com/22698/1563626-22698520.pdf, ComponentLink2Description=https://datasheet.ciiva.com/2560/pyu-r-int-thick-7-2560877.pdf, ComponentLink2URL=https://datasheet.ciiva.com/2560/pyu-r-int-thick-7-2560877.pdf, ComponentLink3Description=https://datasheet.ciiva.com/2560/pyu-r-int-thick-7-2560878.pdf, ComponentLink3URL=https://datasheet.ciiva.com/2560/pyu-r-int-thick-7-2560878.pdf, ComponentLink4Description=https://datasheet.ciiva.com/2560/pyu-r-int-thick-7-2560879.pdf, ComponentLink4URL=https://datasheet.ciiva.com/2560/pyu-r-int-thick-7-2560879.pdf, ComponentLink5Description=https://datasheet.ciiva.com/7672/1563626-7672223.pdf, ComponentLink5URL=https://datasheet.ciiva.com/7672/1563626-7672223.pdf, Composition="Thick Film", Height=0.01inch, Lead Free="Lead Free", Length=0.024inch, Manufacturer Part Number=RC0201FR-0733RL, Number of Terminations=2, Packaging="Tape and Reel", Power Rating=50mW, Pricing 1="1=0.1, 10=0.057, 50=0.057, 100=0.024, 1000=0.011, 10000=0.007 (USD)", REACH SVHC=Unknown, Resistance=33, Stock 1=17957, Supplier 1=Mouser, Termination=SMD/SMT, Width=0.012inch
R365: library part RC0603F473CS, "RES 47K OHM 1% 1/20W 0201", Case/Package=0201, Case Code (Metric)=0603, Manufacturer=Samsung, Max Operating Temperature=125°C, Max Power Dissipation=50mW, Min Operating Temperature=-55°C, Supplier Part Number 1=1276-3701-6-ND, Temperature Coefficient=250ppm/°C, Tolerance=1%, Voltage Rating (DC)=25V, .Creator=MB, Case Code (Imperial)=0201, ComponentLink1Description=https://datasheet.ciiva.com/26129/chip-resistor-150112-1-26129736.pdf, ComponentLink1URL=https://datasheet.ciiva.com/26129/chip-resistor-150112-1-26129736.pdf, ComponentLink2Description=https://datasheet.ciiva.com/26129/chip-resistor-150112-1-26129722.pdf, ComponentLink2URL=https://datasheet.ciiva.com/26129/chip-resistor-150112-1-26129722.pdf, ComponentLink3Description=https://datasheet.ciiva.com/26129/chip-resistor-150112-1-26129757.pdf, ComponentLink3URL=https://datasheet.ciiva.com/26129/chip-resistor-150112-1-26129757.pdf, Composition="Thick Film", Contact Plating=Tin, Height=0.01inch, Lead Free="Lead Free", Length=0.024inch, Manufacturer Part Number=RC0603F473CS, Number of Terminations=2, Packaging="Tape and Reel", Pricing 1="1=0.1, 10=0.021, 100=0.0086, 1000=0.00385, 2500=0.00334, 5000=0.00276 (USD)", Radiation Hardening=No, Resistance=47k, Stock 1=68760, Supplier 1=Digi-Key, Width=0.012inch